# Allegro board RK_NVR_DEMO_RK3568_DDR4P216SD4_V12_20201221YWQ_final.brd (continued)
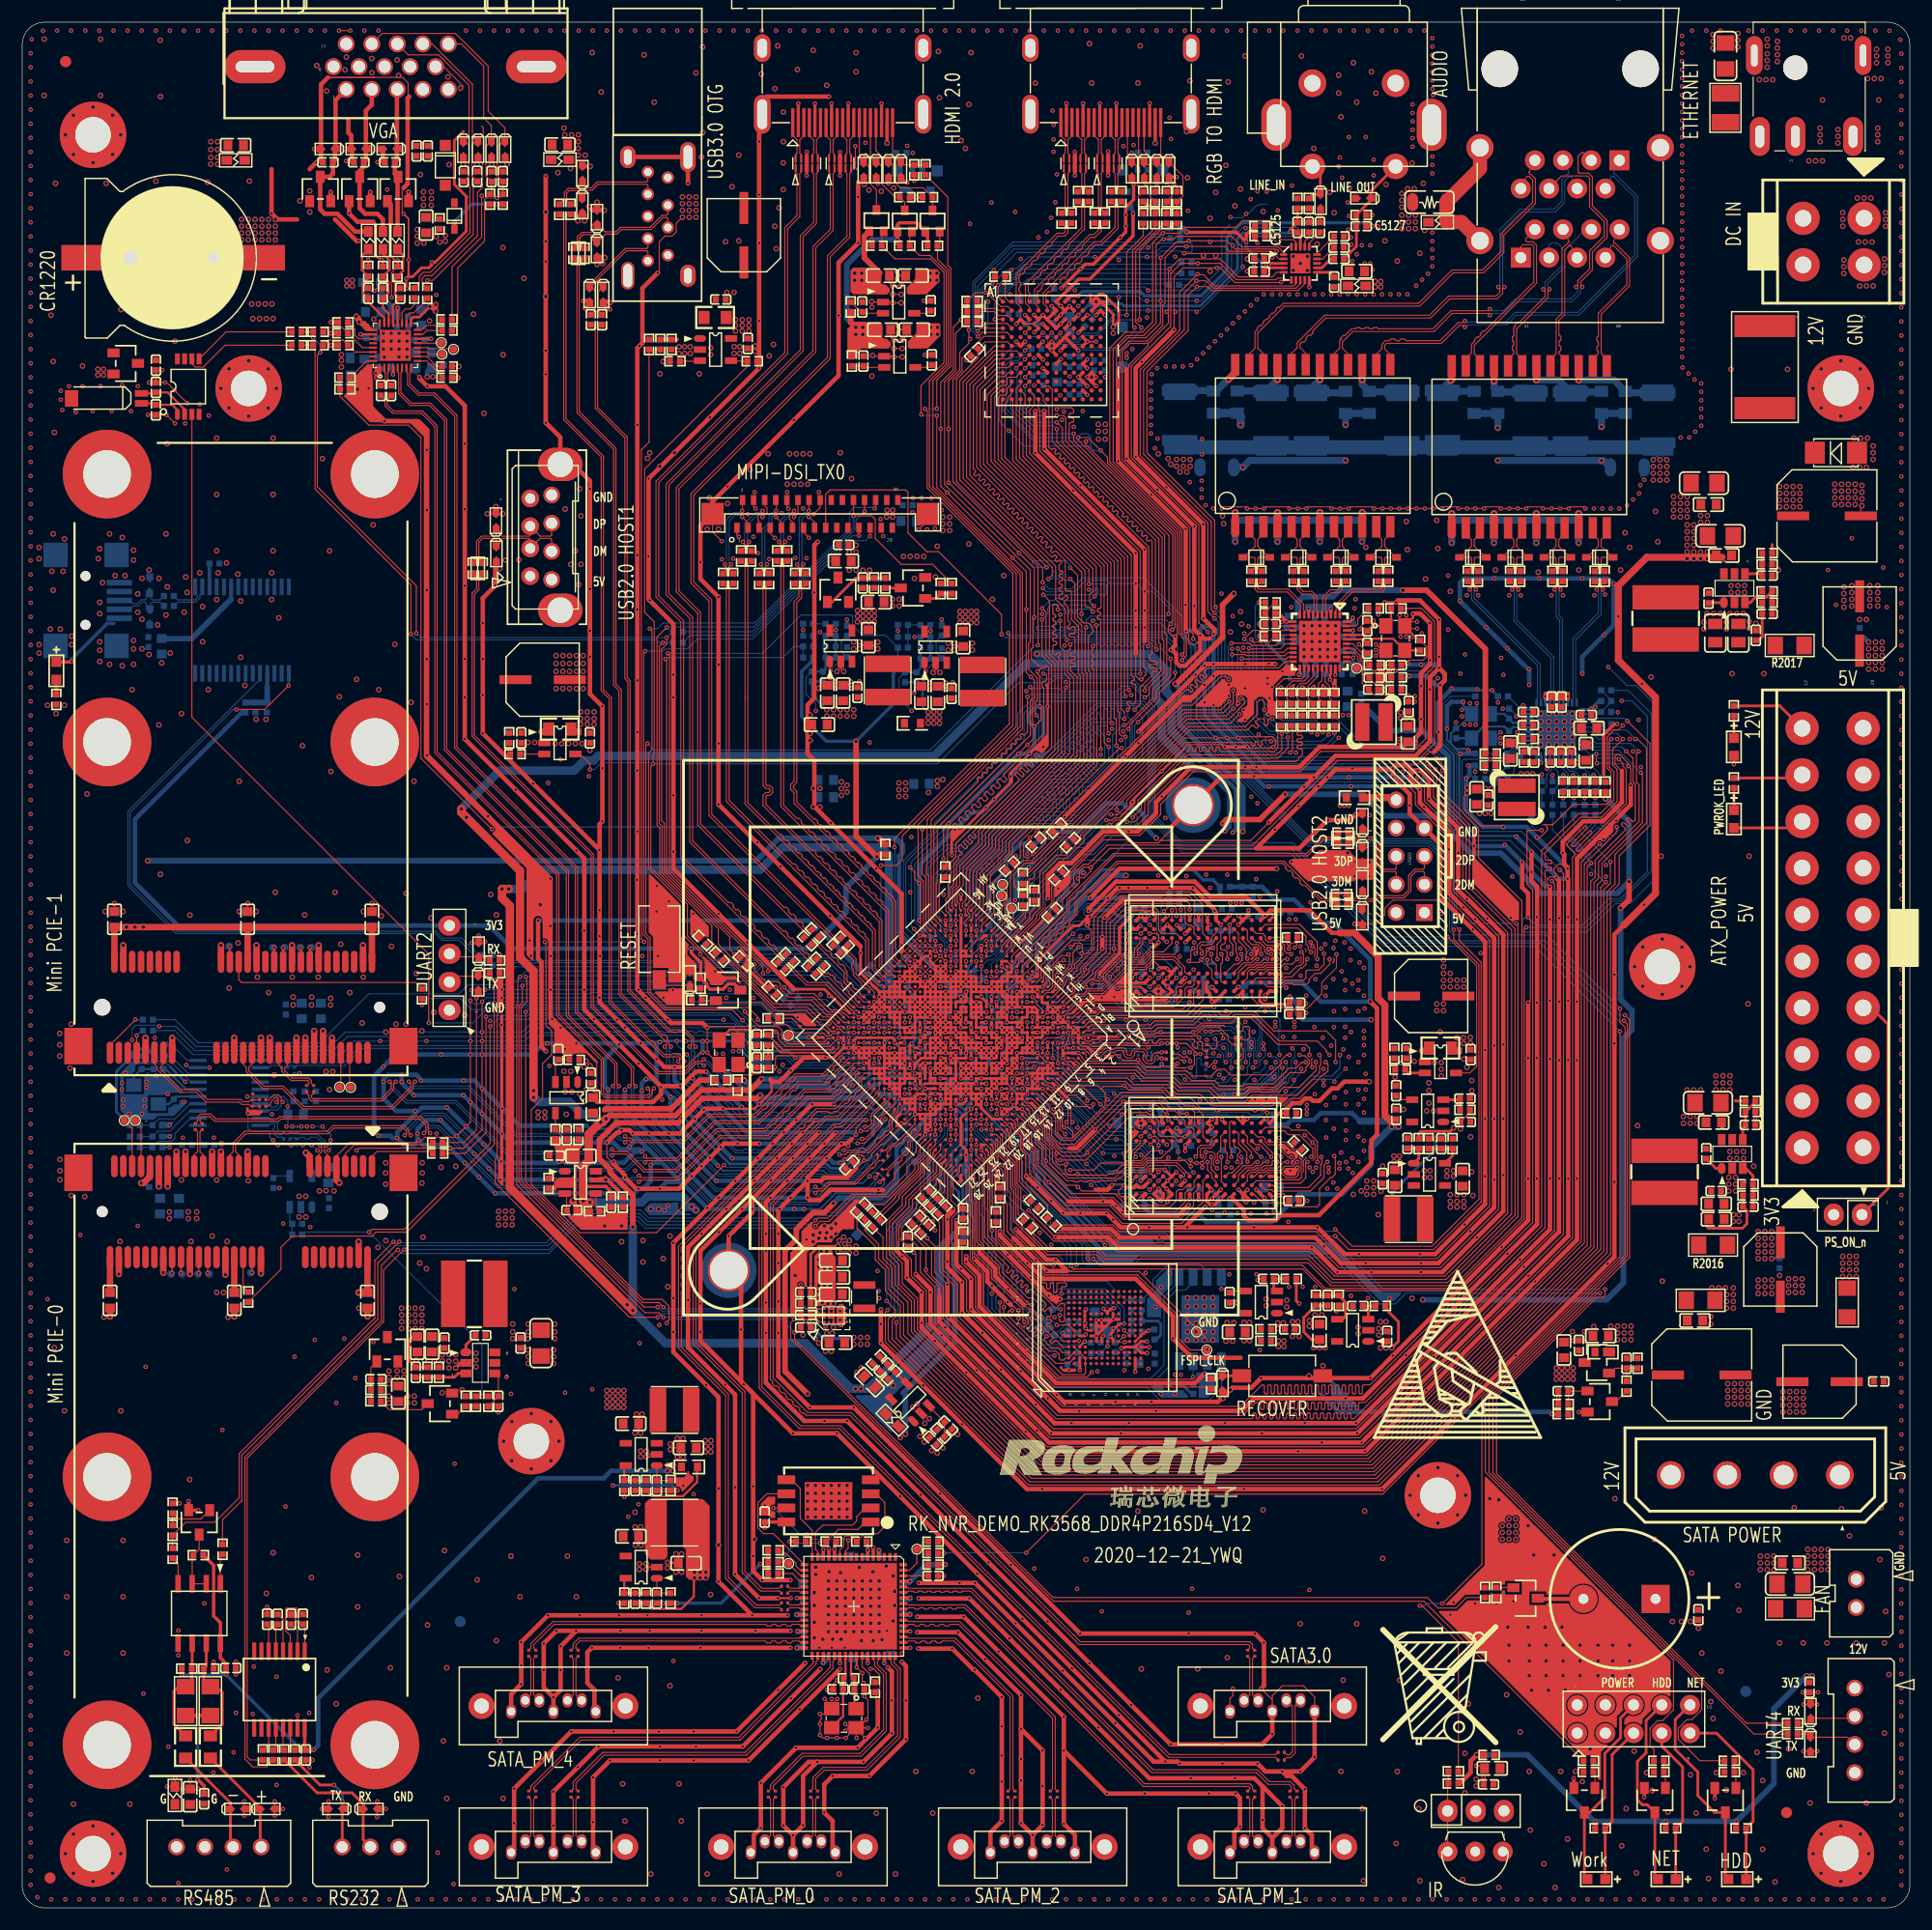
[diagram p0: board, top side]
## Routing (per net, layer and track width the routed paths; a pad name or vN(x,y) marks a point on that pad's centre or on a via; arc(x,y) is an arc through that point) (continued)
PHY1_MDI3-: length 6.5
  TOP w0.097: U6800.10 115.12,116.91 115.19,116.99 115.19,117.42 114,118.62 111.32,118.62 111.08,118.86 111.08,119.25 R6800.1
PHY1_MDI_0+: length 5.8
  TOP w0.097: 123.75,121.74 ED6804.2 ; 123.75,121.74 122.76,122.73 122.76,122.83 122.75,122.83 122.75,123.34 123.27,123.86 U6801.12 ; 123.75,121.74 122.85,121.74 122.76,121.64 122.76,120.82 R6809.2
PHY1_MDI_0-: length 5.8
  TOP w0.097: 121.51,121.74 122.41,121.74 122.51,121.64 122.51,120.82 R6807.2 ; 121.51,121.74 ED6804.1 ; 121.51,121.74 122.51,122.73 122.51,123.34 122.01,123.84 U6801.11
PHY1_MDI_1+: length 5.8
  TOP w0.097: U6801.9 119.47,123.86 118.94,123.34 118.94,122.83 118.95,122.83 118.95,122.73 119.94,121.74 ; R6806.2 118.95,120.82 118.95,121.64 119.04,121.74 119.94,121.74 ; 119.94,121.74 ED6803.2
PHY1_MDI_1-: length 5.8
  TOP w0.097: R6805.2 118.7,120.82 118.7,121.64 118.6,121.74 117.7,121.74 ; 117.7,121.74 ED6803.1 ; 117.7,121.74 118.7,122.73 118.7,123.34 118.2,123.84 U6801.8
PHY1_MDI_2+: length 5.8
  TOP w0.097: U6801.6 115.65,123.85 115.13,123.34 115.13,122.83 115.14,122.83 115.14,122.73 116.13,121.74 ; R6803.2 115.14,120.82 115.14,121.64 115.23,121.74 116.13,121.74 ; 116.13,121.74 ED6802.2
PHY1_MDI_2-: length 5.8
  TOP w0.097: 113.89,121.74 114.79,121.74 114.89,121.64 114.89,120.82 R6802.2 ; 113.89,121.74 114.89,122.73 114.89,123.34 114.38,123.85 U6801.5 ; 113.89,121.74 ED6802.1
PHY1_MDI_3+: length 5.8
  TOP w0.097: 112.32,121.74 111.42,121.74 111.33,121.64 111.33,120.82 R6801.2 ; 112.32,121.74 111.33,122.73 111.33,122.83 111.32,122.83 111.32,123.34 111.84,123.85 U6801.3 ; 112.32,121.74 ED6801.2
PHY1_MDI_3-: length 5.8
  TOP w0.097: 110.08,121.74 111.08,122.73 111.08,123.34 110.57,123.85 U6801.2 ; 110.08,121.74 ED6801.1 ; 110.08,121.74 110.98,121.74 111.08,121.64 111.08,120.82 R6800.2
PHY1_RSTN: length 4.4
  TOP w0.102: U6800.12 113.08,115.55 C6816.1 112,116.63 R6838.2 112,116.78 R6839.2
PHY1_RXCLK/PHYAD1: length 5.2
  TOP w0.102: R6844.1 v1(118.25,108) R6825.1 117.81,109 117.81,110.11 117.4,110.52 117.4,111.23 117.52,111.35 U6800.27
  BOTTOM w0.102: R6826.2 118.2,108.04 v1(118.25,108)
PHY1_RXD0/RXDLY: length 5.4
  TOP w0.102: R6840.1 v1(116.32,108) R6828.1 115.87,109 115.87,110.13 116.72,110.98 U6800.25
  BOTTOM w0.102: v1(116.32,108) R6829.2
PHY1_RXD1/TXDLY: length 5.9
  TOP w0.102: U6800.24 116.32,110.98 115.7,110.37 115.19,110.37 114.86,110.03 114.86,109.05 R6830.1 v1(115.35,108) R6841.1
  BOTTOM w0.102: v1(115.35,108) R6831.2
PHY1_RXD2/PLLOFF: length 6.5
  TOP w0.102: R6842.1 v1(114.39,108) R6833.1 113.94,109 113.94,110.07 114.47,110.59 115.52,110.59 115.92,110.99 U6800.23
  BOTTOM w0.102: v1(114.39,108) R6834.2
PHY1_RXD3/PHYAD0: length 6.5
  TOP w0.102: U6800.22 115.52,111 115.32,110.8 113.69,110.8 112.99,110.1 112.99,108.99 R6823.2 R6843.1
PHY1_RXDV/PHYAD2: length 4.6
  TOP w0.102: R6845.1 R6827.1 116.79,109.05 116.79,110.34 117.12,110.66 U6800.26
PHY1_XTALIN: length 7.4
  TOP w0.203: R6804.1 Y6800.3 123.52,114.4 121.6,114.4 C6801.1 120.84,114.35 U6800.36
PHY1_XTALOUT: length 5.7
  TOP w0.203: R6808.2 123.33,116.01 Y6800.1 121.63,115.55 C6800.1 120.82,114.74 119.7,114.74 119.69,114.75 U6800.37
PI6C_OE: length 3.7
  BOTTOM w0.102: U8501.8 15.09,75.08 13.38,76.79 R8513.2
PI6C_PDN: length 6
  BOTTOM w0.102: R8512.2 11.27,76.32 11.27,76.3 13.36,76.3 15.23,74.43 U8501.7
PI6C_S0: length 6.6
  BOTTOM w0.102: U8501.2 15.15,71.18 13.77,69.8 13.77,69.39 13.46,69.09 12.27,69.09 R8509.1 R8508.2
PI6C_S1: length 6.2
  BOTTOM w0.102: U8501.3 15.11,71.83 13.28,70 12.22,70 R8511.1 R8510.2
PI6C_S2: length 6
  BOTTOM w0.102: U8501.4 15.13,72.48 13.77,71.12 12.31,71.12 R8507.1 R8506.2
PMIC_SLEEP_H: length 82.4
  TOP w0.102: v1(65.12,80.8) 65.28,80.64 65.28,80.57 66.4,79.45 68.12,79.45 68.43,79.15 68.43,78.44 68.97,77.89 72.55,77.89 U1000.AG28 ; v1(43.13,80.87) 42.8,80.54 42.8,67.64 42.62,67.46 42.62,65.33 54.71,53.24 v1(57.25,53.24) ; U2104.A1 72.25,52.84 v1(71.64,52.84)
  BOTTOM w0.102: v1(65.12,80.8) 64.74,81.18 43.43,81.18 v1(43.13,80.87) ; v1(71.64,52.84) 70.89,53.59 57.6,53.59 v1(57.25,53.24)
POWER_LED+: length 14.2
  TOP w0.254: LED9000.1 R9003.2 143.26,7.79 143.26,13.81 J9001.5
POWER_LED-: length 17.9
  TOP w0.254: LED9000.2 140.76,2.86 Q9000.3 141.24,8.6 142.6,9.96 142.6,13.92 144.02,15.34 144.02,17.12 J9001.6
POWER_LED_EN_H_GPIO0_C4: length 173.6
  TOP w0.102: U1000.AD21 v1(76.77,79.81) ; v1(69.55,53.04) 69.24,52.73 69.24,51.31 92.91,27.64 126.3,27.64 R9006.1 ; v1(44.86,83.92) 44.65,83.72 44.65,81.48 44.55,81.38 44.55,65.21 56.12,53.64 57.35,53.64 v1(57.76,53.24)
  BOTTOM w0.089: 75.67,81.37 76.77,80.27 v1(76.77,79.81)
  BOTTOM w0.102: v1(44.86,83.92) 45.36,84.43 58.95,84.43 59.31,84.79 63.85,84.79 64.36,84.28 66.01,84.28 66.72,84.99 71.94,84.99 75.55,81.37 75.67,81.37 ; v1(57.76,53.24) 69.34,53.24 v1(69.55,53.04)
PWM1_M0_LOGIC: length 69.2
  TOP w0.102: v1(67.21,84.43) 67.21,84.43 67.21,84.64 58.32,93.53 58.32,112.93 v1(58.17,113.08) ; U1000.AD22 v1(76.31,79.35)
  BOTTOM w0.089: 74.39,81.73 76.31,79.81 v1(76.31,79.35)
  BOTTOM w0.102: 74.39,81.73 71.7,84.43 v1(67.21,84.43) ; R2110.2 R2114.1 77.79,114.71 75.74,114.71 74.83,115.62 74.83,116.43 74.73,116.54 70.15,116.54 66.7,113.08 v1(58.17,113.08)
PWM2_M0_NPU: length 56.9
  TOP w0.102: U1000.AF23 v1(74.93,79.81) ; v1(57.96,112.57) 58.06,112.47 58.06,93.49 66.75,84.81 66.75,84.23 v1(66.75,84.23)
  BOTTOM w0.102: v1(74.93,79.81) 74.93,80.77 71.63,84.07 66.9,84.07 v1(66.75,84.23) ; R2112.2 R2116.1 69.53,113.7 68.54,112.7 58.09,112.7 v1(57.96,112.57)
PWM15_IR_M1: length 194.4
  TOP w0.089: U1000.AA11 v1(82.74,83.03)
  TOP w0.102: v1(88.85,114.91) 88.85,114.81 88.95,114.71 88.95,106.73 78.59,96.36 v1(78.59,95.61) ; R9001.1 129.4,23.96 126.14,27.23 v1(125.93,27.23) ; v1(127.97,27.43) 131.52,30.99 131.52,45.93 144.42,58.83 144.42,79.37 143.96,79.83 v1(143.96,81.08)
  BOTTOM w0.089: C9000.1 79.71,85.6 82.28,83.03 v1(82.74,83.03)
  BOTTOM w0.102: v1(78.59,95.61) 78.64,95.55 78.64,86.54 79.53,85.65 C9000.1 ; v1(88.85,114.91) 89.05,114.71 93.73,114.71 94.03,115.01 95,115.01 95.25,114.76 102.99,114.76 104.09,113.66 104.09,112.17 104.39,111.86 104.39,110.54 104.7,110.24 104.7,106.88 115.86,95.72 126.71,95.72 128.59,93.84 128.59,88.08 128.96,87.71 137.33,87.71 v1(143.96,81.08) ; v1(125.93,27.23) 126.34,27.23 126.54,27.43 v1(127.97,27.43)
RESETN: length 13.7
  TOP w0.102: R1203.2 61.13,81.92 R1204.1 61.26,81.79 U1201.2 62.71,81.58 66.6,81.58 68,80.18 R1201.1 69.34,80.18 C1200.1 70.31,79.21 72.32,79.21 U1000.AH27
RK616_HDMI_INT_GPIO0_B0: length 118.1
  TOP w0.102: U5100.E1 88.29,141.66 86.64,141.66 84.68,139.7 84.68,138.56 83.87,137.75 83.87,128.57 91.53,120.9 v1(91.53,113.82) ; U1000.AD23 v1(75.85,78.89) ; v1(56.34,104.95) 56.18,104.8 56.18,87.82 56.59,87.41 56.59,82.53 57.97,81.15 65.43,81.15 66.29,80.28 v1(66.29,80.06)
  BOTTOM w0.089: v1(75.85,78.89) 75.29,78.33 74.83,78.33 74.61,78.11 74.34,78.11 74.11,78.33 73.91,78.33 73.69,78.11 73.32,78.11
  BOTTOM w0.102: 73.32,78.11 71.88,79.55 69.65,79.55 69.34,79.86 66.5,79.86 v1(66.29,80.06) ; v1(91.53,113.82) 91.26,113.82 81.81,104.37 56.92,104.37 v1(56.34,104.95)
RK616_RST_GPIO1_B2: length 177.6
  TOP w0.102: v1(91.94,119.48) 91.94,120.78 84.18,128.55 84.18,137.77 86.12,139.71 C5100.1 86.75,141.16 88.79,141.16 U5100.F2 ; U1000.A21 87.88,69.16 87.88,68.21 89.04,67.05 89.04,64.96 89.33,64.67 89.33,61.92 92.37,58.88 96.78,58.88 97.52,58.14 115.87,58.14 117.93,56.08 128.52,56.08 134.77,62.33 134.77,88.57 v1(134.62,88.72)
  BOTTOM w0.102: v1(134.62,88.72) 134.6,88.74 129.34,88.74 129.24,88.84 129.24,94.1 126.97,96.37 116.13,96.37 105.31,107.19 105.31,113.68 104.5,114.49 104.5,116.43 101.04,119.89 95.55,119.89 94.57,118.9 92.53,118.9 v1(91.94,119.48)
RS232_RX: length 14.9
  TOP w0.102: ED9502.1 30.73,8.9 30.73,9.45 29.82,10.36 29.72,10.36
  TOP w0.254: R9514.2 26.58,10.36 29.72,10.36 30.74,9.34 ED9502.1 30.72,8.88 30.72,6.15 J9502.2
RS232_TX: length 10.4
  TOP w0.102: ED9503.1 v1(28.86,9.6)
  TOP w0.254: R9512.2 26.83,11.07 v1(28.09,11.07) ; ED9503.1 28.84,8.92 J9502.3
  BOTTOM w0.254: v1(28.86,9.6) 28.86,10.31 v1(28.09,11.07)
RSET0: length 2.9
  BOTTOM w0.102: U6700.39 135,107.62 134.82,107.8 134.82,108.26 R6722.1
RSET1: length 2.9
  TOP w0.102: U6800.39 120.17,115.55 120.35,115.72 120.35,116.18 R6822.1
RTCIC_INT_L_GPIO0_D3: length 103.9
  TOP w0.102: U1000.AE26 v1(74.47,78.44) ; v1(36.63,79.77) 36.63,85.98 15.29,107.32 U2200.3
  BOTTOM w0.089: 72.25,79.59 72.9,78.94 73.71,78.94 74.04,78.61 74.29,78.61 v1(74.47,78.44)
  BOTTOM w0.102: v1(36.63,79.77) 40.6,79.77 42.21,81.38 66.6,81.38 67.82,80.16 69.44,80.16 69.75,79.86 71.98,79.86 72.25,79.59
SARADC_VIN0_KEY/RECOVERY: length 38.7
  TOP w0.102: U1000.B27 84.45,66.82 84.45,66.36 83.87,65.77 83.87,64.31 84.79,63.4 C1500.1 85.21,62.59 85.21,60.42 R1500.2 84.68,59.89 84.68,58.1 85.9,56.88 85.9,54.06 93.02,46.94 106.97,46.94 R1501.1
SATA1_RXN: length 84
  TOP w0.097: U1000.U27 77.69,73.35 67.66,63.32 67.66,47.75 70.77,44.65 74.68,44.65 95.35,23.98 110.61,23.98 110.86,23.74 110.86,23.41 C8302.1
SATA1_RXP: length 84
  TOP w0.097: U1000.U28 77.23,73.24 67.41,63.42 67.41,47.65 67.61,47.45 67.61,47.25 67.81,47.04 68.02,47.04 68.22,46.84 68.22,46.64 68.43,46.43 68.63,46.43 68.84,46.23 68.84,46.02 69.04,45.82 69.24,45.82 69.45,45.61 69.45,45.41 69.65,45.21 69.86,45.21 70.06,45 70.06,44.8 70.27,44.59 70.47,44.59 70.66,44.4 74.58,44.4 95.25,23.73 110.51,23.73 110.61,23.63 110.61,23.41 C8303.1
SATA1_TXN: length 92.6
  TOP w0.097: U1000.V27 77.23,73.81 76.9,73.48 76.9,73.29 76.69,73.09 76.51,73.09 76.3,72.88 76.3,72.7 76.1,72.49 75.91,72.49 73.83,70.41 73.2,70.41 66.64,63.85 66.64,46.94 70.13,43.46 73.74,43.46 103.38,13.82 112.96,13.82 C8301.1
SATA1_TXP: length 92.3
  TOP w0.097: C8300.1 112.9,13.57 103.27,13.57 73.64,43.21 70.03,43.21 66.4,46.84 66.4,63.95 73.1,70.66 73.73,70.66 76.77,73.7 U1000.V28
SATA1RXN: length 4.3
  TOP w0.097: C8302.2 110.86,22.48 110.86,19.21 J8300.5
SATA1RXP: length 4.3
  TOP w0.097: J8300.6 110.61,19.21 110.61,22.48 C8303.2
SATA1TXN: length 5.8
  TOP w0.097: C8301.2 113.94,13.79 114.17,13.79 114.45,14.07 114.45,18.15 J8300.3
SATA1TXP: length 6.2
  TOP w0.097: C8300.2 113.94,13.54 114.28,13.54 114.7,13.96 114.7,18.22 J8300.2
SATA2_RXN: length 61.6
  TOP w0.097: C8322.1 68.23,27.3 66.12,27.3 63.62,29.8 63.62,46.3 59.39,50.54 59.39,55.54 59.49,55.64 59.49,55.93 59.39,56.03 59.39,56.32 59.49,56.42 59.49,56.71 59.39,56.81 59.39,57.1 59.49,57.2 59.49,57.49 59.39,57.59 59.39,57.88 59.49,57.98 59.49,58.27 59.39,58.38 59.39,58.66 59.49,58.77 59.49,59.06 59.39,59.16 59.39,59.54 70.1,70.25 70.32,70.25 70.51,70.45 70.51,70.67 70.71,70.86 70.93,70.86 71.12,71.06 71.12,71.28 71.63,71.79 72.54,71.79 72.7,71.63 72.99,71.63 73.14,71.79 73.41,71.79 74.15,72.53 74.31,72.53 74.51,72.73 74.51,72.89 74.72,73.09 74.87,73.09 75.08,73.3 75.08,73.45 75.28,73.66 75.44,73.66 75.64,73.86 75.64,74.62 75.78,74.76 U1000.Y28
SATA2_RXP: length 61.9
  TOP w0.097: U1000.Y27 76.03,75.22 76.02,75.22 75.89,75.22 75.39,74.73 75.39,74.12 73.3,72.03 71.53,72.03 59.14,59.64 59.14,50.44 63.37,46.2 63.37,29.7 66.02,27.05 68.23,27.05 C8323.1
SATA2_TXN: length 57.4
  TOP w0.097: U1000.W28 76.31,74.16 73.47,71.32 72.34,71.32 60.46,59.44 60.46,50.84 64.87,46.42 64.87,30.23 66.55,28.55 68.23,28.55 C8321.1
SATA2_TXP: length 57.6
  TOP w0.097: C8318.1 68.23,28.8 66.65,28.8 65.12,30.33 65.12,46.53 60.71,50.94 60.71,59.33 72.45,71.07 73.58,71.07 76.77,74.27 U1000.W27
SATAPM_GPIO0: length 10.7
  TOP w0.102: U8300.17 67.68,33.73 66.8,33.73 66.29,34.24 66.29,36.53 67.09,37.32 U8301.6
SATAPM_GPIO1: length 8.2
  TOP w0.102: U8300.16 71.18,34.03 70.1,35.1 70.1,37.8 69.31,38.59 U8301.5
SATAPM_GPIO2: length 8.4
  TOP w0.102: U8300.15 71.68,32.1 71.48,32.31 71.48,33.83 72.14,34.49 74.8,34.49 75.18,34.87 75.18,35.26 75.98,36.05 U8301.2
SATAPM_GPIO3: length 10.2
  TOP w0.102: U8301.3 76.93,37.32 77.72,36.53 77.72,34.37 77.09,33.73 75.9,33.73 R8321.2 74.68,33.53 74.22,33.53 74.02,33.32 74.02,32.61 73.68,32.28 U8300.11
SATAPM_GPIO4: length 11.3
  TOP w0.102: v1(70.66,33.63) 70.6,33.57 R8322.2 ; U8301.7 v1(67.69,36.05) ; v1(74.42,33.12) 74.42,32.41 74.18,32.17 U8300.10
  BOTTOM w0.102: v1(67.69,36.05) 70.11,33.63 v1(70.66,33.63) 71.07,33.22 74.32,33.22 v1(74.42,33.12)
SATAPM_GPIO12: length 4
  TOP w0.102: U8300.63 79.96,30.43 80.61,31.08 TP8301.1 81.28,33 R8302.2
SATAPM_GPIO13: length 2.9
  TOP w0.102: R8306.2 68.92,31.16 TP8302.1 70.15,29.93 U8300.19
SATAPM_GPIO14: length 12.2
  TOP w0.102: v1(71.88,32.87) 72.03,33.02 R8320.2 73.54,34.11 75.31,34.11 75.98,34.78 U8301.1 ; R8305.2 68.3,32.23 v1(68.71,31.83) 68.96,31.83 69.72,31.07 69.72,30.81 70.11,30.43 U8300.18
  BOTTOM w0.102: v1(71.88,32.87) 69.75,32.87 v1(68.71,31.83)
SATAPM_REXT: length 2.9
  TOP w0.102: R8303.1 76.36,20.81 76.36,21.07 75.68,21.75 U8300.42
SATAPM_RSTN: length 4.3
  TOP w0.102: R8301.2 R8300.2 C8310.1 81.62,29.93 U8300.62
SATAPM_RSTN_GPIO4_D2: length 189.2
  TOP w0.102: v1(143.96,79) 143.96,58.68 122.58,37.29 95.75,37.29 v1(90.47,32.01) ; v1(83.06,31.97) R8301.1 ; U1000.AB9 v1(83.66,84.87)
  BOTTOM w0.089: v1(83.66,84.87) 83.66,85.33 83.99,85.66 83.99,85.93 83.31,86.6 83.31,87.07 81.71,88.67
  BOTTOM w0.102: 81.71,88.67 81.71,93.83 83.38,95.5 84.2,95.5 97.04,108.35 100.69,108.35 101.45,107.59 101.45,98.22 104.57,95.1 114.25,95.1 122.68,86.66 136.3,86.66 v1(143.96,79) ; v1(90.47,32.01) 83.1,32.01 v1(83.06,31.97)
SATAPM_RXN0: length 19.9
  TOP w0.097: U8300.45 77.18,22.36 77.05,22.23 77.05,21.93 77.85,21.13 77.85,15.93 75.59,13.67 70.36,13.67 67.68,10.98 67.68,10.71 C8316.1
SATAPM_RXN1: length 38.8
  TOP w0.097: U8300.57 79.75,27.43 79.88,27.3 85.01,27.3 101.13,11.19 110.6,11.19 110.86,10.93 110.86,10.71 C8306.1
SATAPM_RXN2: length 20.8
  TOP w0.097: C8311.1 89.27,10.71 89.27,19.11 84.08,24.3 79.88,24.3 79.75,24.43 U8300.51
SATAPM_RXN3: length 31.3
  TOP w0.097: C8326.1 46.09,10.71 46.09,10.86 50.36,15.13 64.68,15.13 71.55,22 71.55,22.23 71.68,22.36 U8300.34
SATAPM_RXN4: length 26.2
  TOP w0.097: U8300.28 70.11,25.43 69.98,25.55 69.38,25.55 69.23,25.4 68.94,25.4 68.79,25.55 68.5,25.55 68.34,25.4 68.05,25.4 67.9,25.55 67.61,25.55 67.46,25.4 67.17,25.4 67.01,25.55 47.93,25.55 46.09,23.71 46.09,23.41 C8344.1
SATAPM_RXN5: length 1.6
  TOP w0.097: C8321.2 69.16,28.55 69.98,28.55 70.11,28.43 U8300.22
SATAPM_RXN_0: length 4.3
  TOP w0.097: J8303.5 67.68,6.51 67.68,9.78 C8316.2
SATAPM_RXN_1: length 4.3
  TOP w0.097: J8301.5 110.86,6.51 110.86,9.78 C8306.2
SATAPM_RXN_2: length 4.3
  TOP w0.097: J8302.5 89.27,6.51 89.27,9.78 C8311.2
SATAPM_RXN_3: length 4.3
  TOP w0.097: C8326.2 46.09,9.78 46.09,6.51 J8304.5
SATAPM_RXN_4: length 4.3
  TOP w0.097: C8344.2 46.09,22.48 46.09,19.21 J8305.5
SATAPM_RXP0: length 19.9
  TOP w0.097: U8300.44 76.68,22.36 76.81,22.23 76.81,21.82 77.6,21.03 77.6,16.04 75.49,13.92 70.26,13.92 67.43,11.09 67.43,10.71 C8317.1
SATAPM_RXP1: length 38.9
  TOP w0.097: U8300.56 79.75,26.93 79.88,27.05 80.35,27.05 80.48,26.92 80.77,26.92 80.9,27.05 81.19,27.05 81.32,26.92 81.61,26.92 81.74,27.05 82.03,27.05 82.15,26.92 82.44,26.92 82.57,27.05 82.86,27.05 82.99,26.92 83.28,26.92 83.41,27.05 83.7,27.05 83.83,26.92 84.12,26.92 84.25,27.05 84.91,27.05 101.03,10.94 110.5,10.94 110.61,10.83 110.61,10.71 C8307.1
SATAPM_RXP2: length 20.8
  TOP w0.097: C8312.1 89.02,10.71 89.02,19.01 83.97,24.05 82.92,24.05 82.74,23.88 82.45,23.88 82.28,24.05 81.99,24.05 81.81,23.88 81.52,23.88 81.34,24.05 81.05,24.05 80.88,23.88 80.59,23.88 80.41,24.05 79.88,24.05 79.75,23.93 U8300.50
SATAPM_RXP3: length 31.3
  TOP w0.097: C8327.1 45.84,10.71 45.84,10.96 50.26,15.38 64.58,15.38 71.3,22.1 71.3,22.24 71.18,22.36 U8300.33
SATAPM_RXP4: length 26.2
  TOP w0.097: C8345.1 45.84,23.41 45.84,23.82 47.82,25.8 69.98,25.8 70.11,25.93 U8300.27
SATAPM_RXP5: length 1.6
  TOP w0.097: U8300.21 70.11,28.93 69.98,28.8 69.16,28.8 C8318.2
SATAPM_RXP_0: length 4.3
  TOP w0.097: C8317.2 67.43,9.78 67.43,6.51 J8303.6
SATAPM_RXP_1: length 4.3
  TOP w0.097: C8307.2 110.61,9.78 110.61,6.51 J8301.6
SATAPM_RXP_2: length 4.3
  TOP w0.097: J8302.6 89.02,6.51 89.02,9.78 C8312.2
SATAPM_RXP_3: length 4.3
  TOP w0.097: J8304.6 45.84,6.51 45.84,9.78 C8327.2
SATAPM_RXP_4: length 4.3
  TOP w0.097: C8345.2 45.84,22.48 45.84,19.21 J8305.6
SATAPM_TESTN: length 2.7
  TOP w0.102: R8307.2 69.38,30.14 70.09,29.43 U8300.20
SATAPM_TXN0: length 18
  TOP w0.097: U8300.47 78.18,22.36 78.31,22.23 78.31,21.99 78.87,21.43 78.87,15.5 76.01,12.65 72.15,12.65 71.24,11.74 71.24,10.71 C8315.1
SATAPM_TXN1: length 43.3
  TOP w0.097: C8305.1 114.34,10.64 114.34,10.93 114.15,11.13 112.27,11.13 111.2,12.19 101.8,12.19 85.44,28.55 84.72,28.55 84.62,28.45 84.33,28.45 84.22,28.55 83.93,28.55 83.83,28.45 83.54,28.45 83.43,28.55 83.14,28.55 83.04,28.45 82.75,28.45 82.64,28.55 82.35,28.55 82.25,28.45 81.96,28.45 81.85,28.55 81.56,28.55 81.46,28.45 81.17,28.45 81.06,28.55 80.77,28.55 80.67,28.45 80.38,28.45 80.27,28.55 79.88,28.55 79.75,28.43 U8300.59
SATAPM_TXN2: length 24.2
  TOP w0.097: U8300.53 79.75,25.43 79.88,25.55 80.35,25.55 80.5,25.4 80.79,25.4 80.95,25.55 81.23,25.55 81.39,25.4 81.68,25.4 81.83,25.55 82.12,25.55 82.27,25.4 82.56,25.4 82.72,25.55 83.01,25.55 83.16,25.4 83.45,25.4 83.6,25.55 84.38,25.55 92.83,17.1 92.83,10.71 C8309.1
SATAPM_TXN3: length 29.4
  TOP w0.097: U8300.36 72.68,22.36 72.81,22.23 72.81,21.67 65.15,14.01 52.32,14.01 49.65,11.34 49.65,10.71 C8325.1
SATAPM_TXN4: length 21.7
  TOP w0.097: C8343.1 49.65,23.41 49.65,23.8 50.15,24.3 69.98,24.3 70.11,24.43 U8300.30
SATAPM_TXN5: length 1.6
  TOP w0.097: C8322.2 69.16,27.3 69.98,27.3 70.11,27.43 U8300.24
SATAPM_TXN_0: length 4.3
  TOP w0.097: J8303.3 71.24,6.51 71.24,9.78 C8315.2
SATAPM_TXN_1: length 4.3
  TOP w0.097: J8301.3 114.42,6.51 114.42,9.78 C8305.2
SATAPM_TXN_2: length 4.3
  TOP w0.097: J8302.3 92.83,6.51 92.83,9.78 C8309.2
SATAPM_TXN_3: length 4.3
  TOP w0.097: J8304.3 49.65,6.51 49.65,9.78 C8325.2
SATAPM_TXN_4: length 4.3
  TOP w0.097: J8305.3 49.65,19.21 49.65,22.48 C8343.2
SATAPM_TXP0: length 18
  TOP w0.097: C8314.1 71.49,10.71 71.49,11.63 72.25,12.4 76.11,12.4 79.12,15.4 79.12,21.53 78.55,22.1 78.55,22.23 78.68,22.36 U8300.48
SATAPM_TXP1: length 43.2
  TOP w0.097: U8300.60 79.75,28.93 79.88,28.8 85.54,28.8 101.91,12.44 111.3,12.44 112.37,11.37 114.25,11.37 114.59,11.04 114.59,10.79 C8304.1
SATAPM_TXP2: length 24.1
  TOP w0.097: C8308.1 93.08,10.71 93.08,17.21 84.48,25.8 79.88,25.8 79.75,25.93 U8300.54
SATAPM_TXP3: length 29.4
  TOP w0.097: C8324.1 49.9,10.71 49.9,11.24 52.42,13.76 65.25,13.76 73.05,21.57 73.05,22.23 73.18,22.36 U8300.37
SATAPM_TXP4: length 21.8
  TOP w0.097: C8342.1 49.9,23.41 49.9,23.7 50.25,24.05 66.93,24.05 67.11,23.88 67.4,23.88 67.57,24.05 67.86,24.05 68.04,23.88 68.33,23.88 68.51,24.05 68.8,24.05 68.98,23.88 69.27,23.88 69.44,24.05 69.98,24.05 70.11,23.93 U8300.31
SATAPM_TXP5: length 1.6
  TOP w0.097: C8323.2 69.16,27.05 69.98,27.05 70.11,26.93 U8300.25
SATAPM_TXP_0: length 4.3
  TOP w0.097: J8303.2 71.49,6.51 71.49,9.78 C8314.2
SATAPM_TXP_1: length 4.3
  TOP w0.097: J8301.2 114.67,6.51 114.67,9.78 C8304.2
SATAPM_TXP_2: length 4.3
  TOP w0.097: J8302.2 93.08,6.51 93.08,9.78 C8308.2
SATAPM_TXP_3: length 4.3
  TOP w0.097: J8304.2 49.9,6.51 49.9,9.78 C8324.2
SATAPM_TXP_4: length 4.3
  TOP w0.097: C8342.2 49.9,22.48 49.9,19.21 J8305.2
SATAPM_XIN: length 7
  TOP w0.203: U8300.39 74.18,20.86 R8304.2 73.96,20.64 C8320.1 73.96,17.27 Y8300.3
SATAPM_XOUT: length 5
  TOP w0.203: Y8300.1 74.98,18.1 C8319.1 74.98,20.62 R8304.1 74.68,20.92 U8300.40
SMB_SCL: length 5.2
  TOP w0.102: U5900.30 29.97,140.24 R5901.2 28.89,141.33 27.58,141.33 R5904.2
SMB_SDA: length 5.4
  TOP w0.102: R5903.2 27.5,142.44 28.85,142.44 R5900.2 30.65,140.64 U5900.29
SPDIF_TX_M1: length 68.2
  TOP w0.102: v1(103.63,115.21) 103.87,115.46 103.87,123.87 95.8,131.94 95.8,132.12 v1(95.86,132.18) ; v1(96.77,115.62) 96.77,115.42 96.82,115.37 96.82,102.99 89.92,96.09 89.92,94.69 89.42,94.2 R1803.2 ; v1(90.36,140.39) U5100.F4
  BOTTOM w0.102: v1(103.63,115.21) 103.17,115.21 102.57,115.82 97.18,115.82 96.98,115.62 v1(96.77,115.62) ; v1(95.86,132.18) 91.19,132.18 88.34,135.03 88.34,139.19 88.93,139.78 89.75,139.78 v1(90.36,140.39)
TP_INT_L_GPIO0_B5: length 80.9
  TOP w0.102: J5200.25 v1(76.4,123.65) ; v1(56.13,113.28) 55.98,113.13 55.98,87.73 56.38,87.33 56.38,82.45 57.89,80.95 63.98,80.95 v1(64.91,80.01) ; U1000.AC22 v1(76.77,78.89)
  BOTTOM w0.089: v1(76.77,78.89) 76.17,78.3 76.17,77.82 75.54,77.19 75.26,77.19 75.03,77.41 74.83,77.41 74.6,77.19 74.34,77.19 74.11,77.42 73.2,77.42 71.68,78.94 71.6,78.94
  BOTTOM w0.102: v1(76.4,123.65) 75.99,123.24 74.65,123.24 65.79,114.38 60.83,114.38 59.94,113.49 57.96,113.49 57.76,113.28 v1(56.13,113.28) ; 71.6,78.94 68.53,78.94 68.12,78.54 66.39,78.54 v1(64.91,80.01)
TP_RST_L_GPIO0_B6: length 80.7
  TOP w0.102: v1(61.1,85.95) 61.1,86.16 59.59,87.68 59.59,90.53 56.44,93.68 56.44,104.09 56.74,104.4 56.74,115.11 v1(56.54,115.32) ; J5200.26 76.9,126.23 v1(76.82,126.15) ; U1000.AA20 v1(78.61,78.89)
  BOTTOM w0.089: v1(78.61,78.89) 78.15,78.89 77.82,79.22 77.82,79.49 78.01,79.68 78.01,81.79 76.99,82.8 75.64,82.8 75.55,82.89
  BOTTOM w0.102: v1(56.54,115.32) 57.25,115.32 57.76,115.82 66.02,115.82 74.52,124.32 74.52,125.8 74.96,126.23 76.71,126.23 76.79,126.15 v1(76.82,126.15) ; 75.55,82.89 72.84,85.6 61.36,85.6 61.1,85.86 v1(61.1,85.95)
TSADC_SHUT_M0: length 7.1
  TOP w0.102: R1201.2 67.74,79.65 68.83,79.65 69.66,78.83 72.24,78.83 72.48,78.59 72.79,78.59 72.99,78.79 73.45,78.79 U1000.AG26
UART2_RX_M0_DEBUG: length 39.9
  TOP w0.102: R9100.1 v1(43.02,85.95) ; U1000.AC20 v1(77.69,79.81)
  BOTTOM w0.089: 76.57,82.31 77.55,81.33 77.55,81.06 77.36,80.87 77.36,80.6 77.69,80.27 v1(77.69,79.81)
  BOTTOM w0.102: R9106.1 42.95,85.89 v1(43.02,85.95) 43.57,85.4 72.56,85.4 75.65,82.31 76.57,82.31
UART2_TX_M0_DEBUG: length 35
  TOP w0.089: 73.66,80.62 U1000.AH24
  TOP w0.102: R9101.1 43.02,84.8 v1(43.03,84.81) ; 73.66,80.62 73.55,80.73 72.63,80.73 71.27,82.09 69.04,82.09 68.3,82.84 68.3,83.29 68.07,83.52 66.96,83.52 65.99,84.49 v1(65.99,85.04)
  BOTTOM w0.102: R9107.1 42.89,84.95 v1(43.03,84.81) 43.6,84.81 43.99,85.19 65.83,85.19 v1(65.99,85.04)
UART4_RX_M0: length 120.7
  TOP w0.089: U1000.F18 v1(86.88,72.46)
  TOP w0.102: v1(142.62,55.75) 142.62,55.19 142.47,55.05 141.86,55.05 132.84,46.02 132.84,39.14 155.34,16.65 R9500.1
  BOTTOM w0.089: v1(86.88,72.46) 86.88,71.99 87.34,71.53
  BOTTOM w0.102: 87.34,71.53 87.74,71.13 87.75,71.13 89.37,69.52 89.94,69.52 91.18,68.28 91.18,67.31 97.94,60.55 101.84,60.55 102.32,60.08 102.77,60.08 102.94,60.25 118.12,60.25 122.62,55.75 v1(142.62,55.75)
UART4_TX_M0: length 121.5
  TOP w0.102: R9501.1 156.03,15.66 132.51,39.18 132.51,46 141.91,55.4 v1(142.16,55.4) ; U1000.C20 v1(87.34,70.16)
  BOTTOM w0.089: v1(87.34,70.16) 87.34,70.09 88.75,68.68
  BOTTOM w0.102: v1(142.16,55.4) 124.67,55.4 123.7,54.43 122.3,54.43 118.11,58.62 100.84,58.62 100.16,57.94 95.93,57.94 95.52,58.35 95.52,59.75 90.15,65.12 90.15,67.28 88.75,68.68
UART5_RX_M0: length 109
  TOP w0.089: U1000.H27 81.82,69.22 81.23,68.62 81.23,68.3
  TOP w0.102: R9511.2 22.02,12.7 20.78,12.7 20.07,13.41 20.07,40.62 32.36,52.92 32.36,57.9 33.76,59.31 v1(33.86,59.31) ; v1(71.48,61.47) 71.88,61.87 72.69,61.87 74.93,64.11 78.01,64.11 80.41,66.51 80.41,67.1 81.23,67.91 81.23,68.3
  BOTTOM w0.102: v1(71.48,61.47) 71.27,61.26 56.13,61.26 55.42,61.98 50.43,61.98 47.44,58.98 34.19,58.98 v1(33.86,59.31)
UART5_TX_M0: length 105.5
  TOP w0.089: 81.22,69.1 U1000.H28
  TOP w0.102: R9513.2 20.56,13.33 20.27,13.61 20.27,40.54 32.56,52.83 32.56,57.5 34.4,59.33 v1(34.42,59.33) ; 81.22,69.1 80.9,68.78 80.9,67.89 79.73,66.73 79.73,66.27 77.77,64.31 74.73,64.31 72.59,62.18 71.68,62.18 v1(71.48,61.98)
  BOTTOM w0.102: v1(34.42,59.33) 47.5,59.33 50.44,62.28 55.52,62.28 56.24,61.57 71.07,61.57 v1(71.48,61.98)
UART6_RX_M1: length 90
  TOP w0.102: v1(33.96,60.05) 32.03,58.12 32.03,53.05 19.78,40.8 19.78,36.7 18.05,34.97 R9504.1 ; U1000.J24 v1(82.74,71.08)
  BOTTOM w0.089: 80.33,69.2 82.09,70.97 82.63,70.97 v1(82.74,71.08)
  BOTTOM w0.102: 80.33,69.2 80.21,69.09 80.21,68.07 79.71,67.56 79.71,65.74 77.55,63.58 74.19,63.58 73.32,62.7 71.18,62.7 70.66,62.18 56.44,62.18 55.73,62.89 50.17,62.89 47.22,59.94 34.07,59.94 v1(33.96,60.05)
UART6_TX_M1: length 93.5
  TOP w0.102: v1(33.46,60.05) 31.77,58.35 31.77,53.16 19.56,40.94 19.56,36.98 17.32,34.75 14.72,34.75 R9509.1 R9507.1 ; U1000.J25 v1(82.28,70.62)
  BOTTOM w0.089: 80.82,68.7 82.28,70.16 v1(82.28,70.62)
  BOTTOM w0.102: 80.82,68.7 80.52,68.4 80.52,68.07 79.91,67.46 79.91,65.63 77.65,63.37 74.4,63.37 73.41,62.38 71.27,62.38 70.76,61.87 56.34,61.87 55.63,62.59 50.29,62.59 47.4,59.69 33.82,59.69 v1(33.46,60.05)
USB2_AVDD_0V9: length 10.9
  TOP w0.254: U1000.R8 v1(87.34,82.11)
  BOTTOM w0.254: 87.85,83.09 87.85,82.8 87.34,82.29 v1(87.34,82.11) ; 87.85,83.09 87.85,83.09 87.88,83.13 87.88,83.52 88.75,84.38 88.75,84.63 90.22,86.11 90.22,87.03 90.37,87.18 92.62,89.42 92.62,90.03 R1401.1 ; 87.85,83.09 C1406.1